# Allegro board ad-fmcmotcon1-ebz_layout.brd (continued)
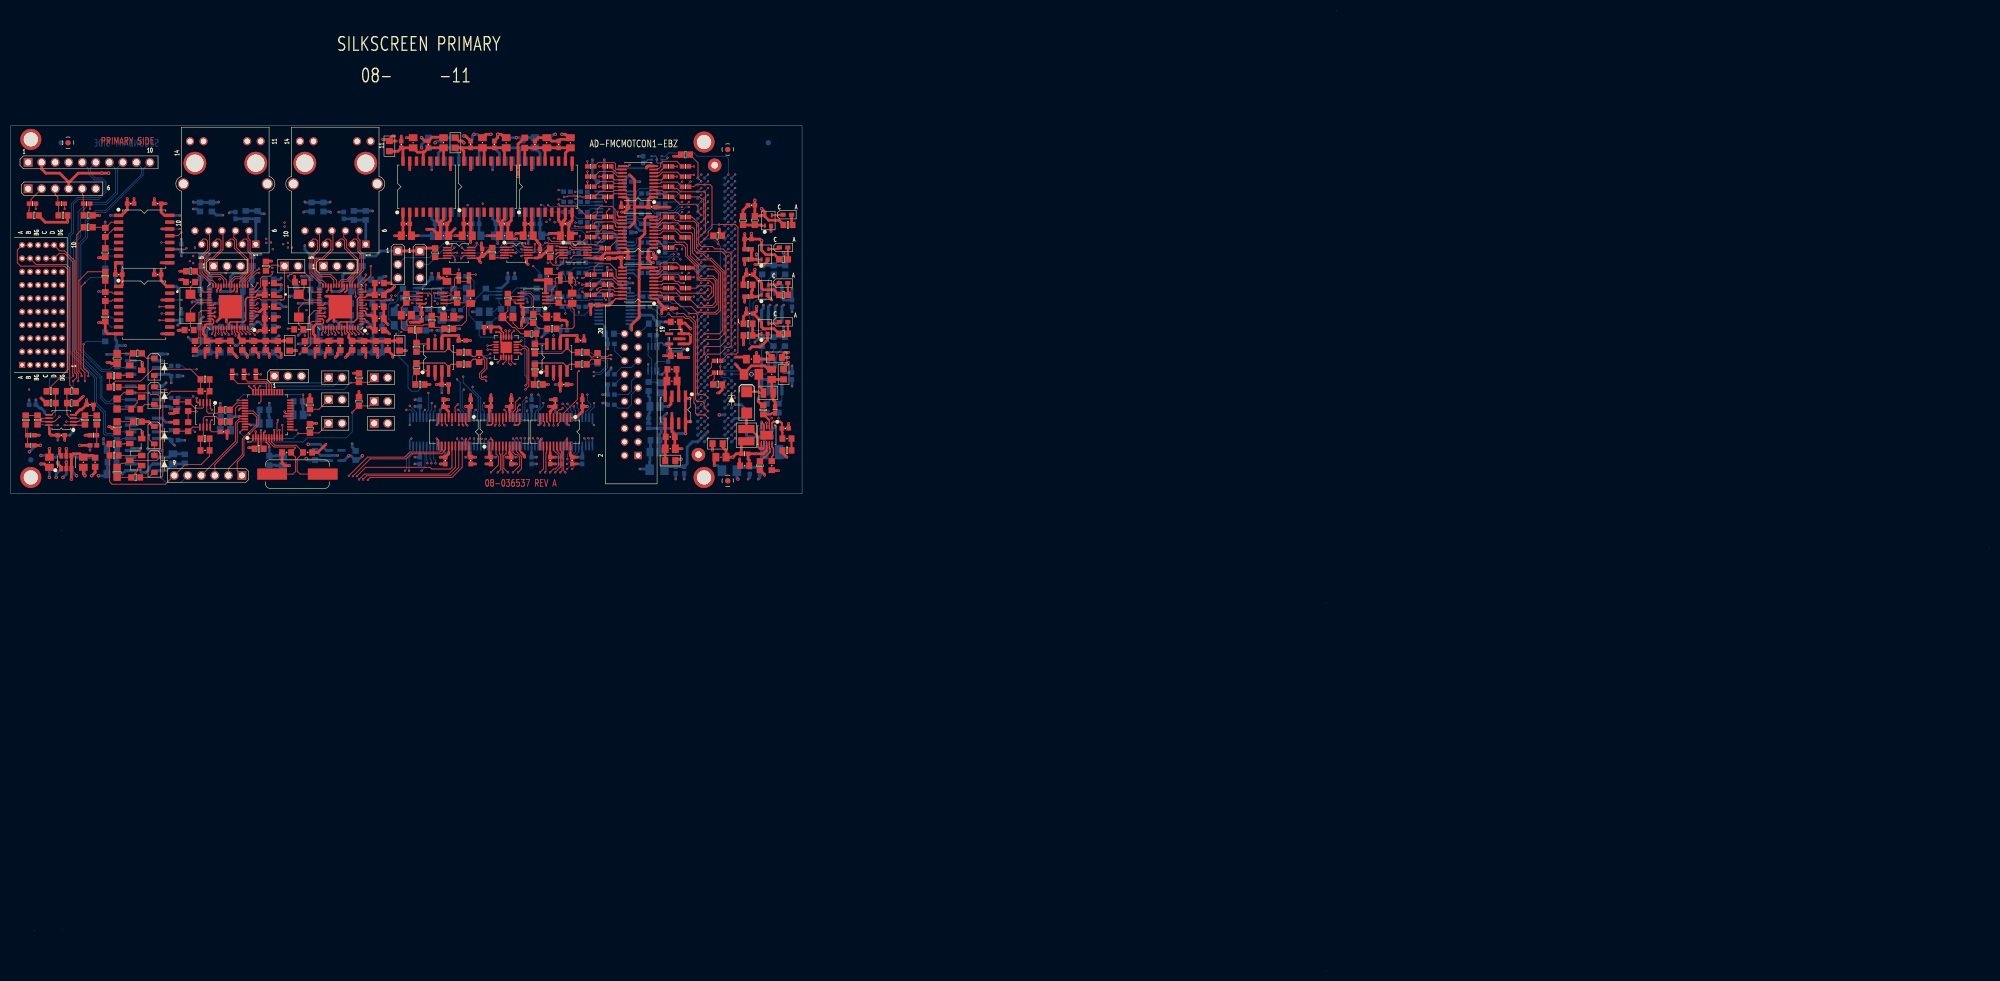
[diagram p0: board, top side]
## Nets (continued)
UNNAMED_3_AD8646V2_I111__1: C32.1(N1) R91.2(N2) U10.5(+IN)
UNNAMED_3_AD8646V2_I111_OUT: C34.2(N2) R86.1(N1) R93.1(N1) U10.7(OUT)
UNNAMED_3_AD8646V2_I113_: R87.2(N2) U11.2(-IN)
UNNAMED_3_AD8646V2_I113__1: C29.1(N1) R84.2(N2) U11.3(+IN)
UNNAMED_3_AD8646V2_I113_OUT: C31.2(N2) R87.1(N1) R90.1(N1) U11.1(OUT)
UNNAMED_3_AD8646V2_I114_: C33.1(N1) R92.2(N2) U11.5(+IN)
UNNAMED_3_AD8646V2_I114__1: R88.2(N2) U11.6(-IN)
UNNAMED_3_AD8646V2_I114_OUT: C35.2(N2) R88.1(N1) R95.1(N1) U11.7(OUT)
UNNAMED_3_ADA40842_I45_INV: A2.2(INV) R69.2(N2) R75.1(N1)
UNNAMED_3_ADA40842_I45_NINV: A2.3(NINV) R70.2(N2) R73.1(N1)
UNNAMED_3_ADA40842_I98_INV: A2.6(INV) R71.2(N2) R76.1(N1)
UNNAMED_3_ADA40842_I98_NINV: A2.5(NINV) R72.2(N2) R74.1(N1)
UNNAMED_3_CAP_I4_N1: C34.1(N1) R89.2(N2) R91.1(N1)
UNNAMED_3_CAP_I20_N1: C30.1(N1) R81.2(N2) R83.1(N1)
UNNAMED_3_CAP_I115_N1: C35.1(N1) R90.2(N2) R92.1(N1)
UNNAMED_3_CAP_I120_N1: C31.1(N1) R82.2(N2) R84.1(N1)
UNNAMED_3_RES_I135_N1: R69.1(N1) R229.2(N2) R231.2(N2)
UNNAMED_3_RES_I137_N1: R71.1(N1) R230.2(N2) R232.2(N2)
UNNAMED_4_AD7401_I36_VIN: C45.1(N1) R113.2(N2) U14.2(VIN+)
UNNAMED_4_AD7401_I36_VIN_1: C45.2(N2) R114.2(N2) U14.3(VIN-)
UNNAMED_4_AD7401_I56_VIN: C46.1(N1) R115.2(N2) U15.2(VIN+)
UNNAMED_4_AD7401_I56_VIN_1: C46.2(N2) R116.2(N2) U15.3(VIN-)
UNNAMED_4_AD8137_I9_NEGIN: R130.2(N2) R135.1(N1) U18.1(NEG_IN)
UNNAMED_4_AD8137_I9_NEGOUT: R133.2(N2) R137.1(N1) U18.5(NEG_OUT)
UNNAMED_4_AD8137_I9_POSIN: R129.2(N2) R133.1(N1) U18.8(POS_IN)
UNNAMED_4_AD8137_I9_POSOUT: R135.2(N2) R138.1(N1) U18.4(POS_OUT)
UNNAMED_4_AD8137_I65_NEGIN: R132.2(N2) R136.1(N1) U19.1(NEG_IN)
UNNAMED_4_AD8137_I65_NEGOUT: R134.2(N2) R139.1(N1) U19.5(NEG_OUT)
UNNAMED_4_AD8137_I65_POSIN: R131.2(N2) R134.1(N1) U19.8(POS_IN)
UNNAMED_4_AD8137_I65_POSOUT: R136.2(N2) R140.1(N1) U19.4(POS_OUT)
UNNAMED_4_AD8646V2_I112_: C49.1(N1) R119.2(N2) U16.3(+IN)
UNNAMED_4_AD8646V2_I112__1: R121.2(N2) U16.2(-IN)
UNNAMED_4_AD8646V2_I112_OUT: C51.2(N2) R121.1(N1) R125.1(N1) U16.1(OUT)
UNNAMED_4_AD8646V2_I119_: C53.1(N1) R127.2(N2) U16.5(+IN)
UNNAMED_4_AD8646V2_I119__1: R122.2(N2) U16.6(-IN)
UNNAMED_4_AD8646V2_I119_OUT: C55.2(N2) R122.1(N1) R129.1(N1) U16.7(OUT)
UNNAMED_4_AD8646V2_I127_: C50.1(N1) R120.2(N2) U17.3(+IN)
UNNAMED_4_AD8646V2_I127__1: R123.2(N2) U17.2(-IN)
UNNAMED_4_AD8646V2_I127_OUT: C52.2(N2) R123.1(N1) R126.1(N1) U17.1(OUT)
UNNAMED_4_AD8646V2_I134_: C54.1(N1) R128.2(N2) U17.5(+IN)
UNNAMED_4_AD8646V2_I134__1: R124.2(N2) U17.6(-IN)
UNNAMED_4_AD8646V2_I134_OUT: C56.2(N2) R124.1(N1) R131.1(N1) U17.7(OUT)
UNNAMED_4_ADA40842_I44_INV: A3.2(INV) R105.2(N2) R111.1(N1)
UNNAMED_4_ADA40842_I44_NINV: A3.3(NINV) R106.2(N2) R109.1(N1)
UNNAMED_4_ADA40842_I98_INV: A3.6(INV) R107.2(N2) R112.1(N1)
UNNAMED_4_ADA40842_I98_NINV: A3.5(NINV) R108.2(N2) R110.1(N1)
UNNAMED_4_CAP_I107_N1: C55.1(N1) R125.2(N2) R127.1(N1)
UNNAMED_4_CAP_I113_N1: C51.1(N1) R117.2(N2) R119.1(N1)
UNNAMED_4_CAP_I122_N1: C56.1(N1) R126.2(N2) R128.1(N1)
UNNAMED_4_CAP_I128_N1: C52.1(N1) R118.2(N2) R120.1(N1)
UNNAMED_4_RES_I104_N1: R107.1(N1) R234.2(N2) R236.2(N2)
UNNAMED_4_RES_I175_N2: R105.1(N1) R233.2(N2) R235.2(N2)
UNNAMED_5_AD2S1210_I28_A: R155.1(N1) U26.29(A)
UNNAMED_5_AD2S1210_I28_B: R156.1(N1) U26.30(B)
UNNAMED_5_AD2S1210_I28_CLKIN: C70.1(N1) U26.7(CLKIN) Y1.2(N2)
UNNAMED_5_AD2S1210_I28_EXC: R158.1(N1) U26.38(EXC)
UNNAMED_5_AD2S1210_I28_EXCN: R159.1(N1) U26.39(EXC_N)
UNNAMED_5_AD2S1210_I28_NM: R157.1(N1) U26.31(NM)
UNNAMED_5_AD2S1210_I28_REFBYP: C72.1(N1) C74.1(N1) U26.46(REFBYP)
UNNAMED_5_AD8662_I121_: A4.2(-IN) C79.1(N1) R158.2(N2) R160.1(N1)
UNNAMED_5_AD8662_I121__1: A4.3(+IN) R162.2(N2) R164.1(N1)
UNNAMED_5_AD8662_I121_OUT: A4.1(OUT) D1.C(N) D2.A(P)
UNNAMED_5_AD8662_I122_: A4.6(-IN) C80.1(N1) R159.2(N2) R161.1(N1)
UNNAMED_5_AD8662_I122__1: A4.5(+IN) R163.2(N2) R165.1(N1)
UNNAMED_5_AD8662_I122_OUT: A4.7(OUT) D3.C(N) D4.A(P)
UNNAMED_5_ADG704_I125_EN: R145.1(N1) U21.5(EN)
UNNAMED_5_ADG704_I136_EN: R149.1(N1) U25.5(EN)
UNNAMED_5_ADG704_I141_EN: R144.1(N1) U20.5(EN)
UNNAMED_5_ADN4662_I7_ROUT: R141.2(N2) U22.7(ROUT)
UNNAMED_5_ADN4662_I13_ROUT: R142.2(N2) U23.7(ROUT)
UNNAMED_5_ADN4662_I22_ROUT: R143.2(N2) U24.7(ROUT)
UNNAMED_5_DIO_I89_P: D1.A(P) R167.2(N2)
UNNAMED_5_DIO_I90_N: D2.C(N) R168.1(N1)
UNNAMED_5_DIO_I107_N: D4.C(N) R172.1(N1)
UNNAMED_5_DIO_I110_P: D3.A(P) R171.2(N2)
UNNAMED_5_RES_I86_N2: Q1.1(B) R166.2(N2) R167.1(N1)
UNNAMED_5_RES_I91_N2: Q2.1(B) R168.2(N2) R169.1(N1)
UNNAMED_5_RES_I93_N1: Q1.2(E) R174.1(N1)
UNNAMED_5_RES_I94_N2: Q2.2(E) R175.2(N2)
UNNAMED_5_RES_I101_N1: Q4.1(B) R172.2(N2) R173.1(N1)
UNNAMED_5_RES_I109_N1: Q3.1(B) R170.2(N2) R171.1(N1)
UNNAMED_5_RES_I112_N2: Q4.2(E) R177.2(N2)
UNNAMED_5_RES_I113_N1: Q3.2(E) R176.1(N1)
UNNAMED_6_AT24C32_I142_A0: R193.2(N2) U27.1(A0)
UNNAMED_6_AT24C32_I142_A1: R195.2(N2) U27.2(A1)
UNNAMED_6_AT24C32_I142_WP: R194.2(N2) U27.7(WP)
UNNAMED_6_AT24C32_I156_WP: R13.2(N2) U32.7(WP)
UNNAMED_6_CN6P_I40_N2: P7.2(N2) R180.2(N2) R181.1(N1)
UNNAMED_6_CN6P_I40_N3: P7.3(N3) R179.2(N2) R182.1(N1)
UNNAMED_6_CN6P_I40_N5: P7.5(N5) R178.2(N2) R183.1(N1)
UNNAMED_6_CN20PV2_I55_N8: P10.16(N8) R190.1(N1)
UNNAMED_6_CN20PV2_I55_N10: P10.20(N10) R189.2(N2)
UNNAMED_6_CN160PCDGHV2_I8_PRSNT: P1.H2(PRSNT_M2C_L) R191.2(N2)
UNNAMED_7_CAP_I18_N1: C134.1(N1) U28.41(REGCAP2)
UNNAMED_7_CAP_I18_N2: C134.2(N2) U28.37(REGCAP1)
UNNAMED_7_CAP_I83_N1: C136.1(N1) U28.34(XTAL_IN) Y2.2(N2)
UNNAMED_7_CAP_I89_N1: C135.1(N1) U28.33(XTAL_OUT) Y2.1(N1)
UNNAMED_7_CAP_I101_N1: C140.1(N1) P13.GND1 P13.GND2 R199.1(N1)
UNNAMED_7_CAP_I103_N1: C137.1(N1) C138.1(N1) C139.1(N1) P13.1(TRDCT1/2/3/4)
UNNAMED_7_IC88E151X_I25_RSET: R197.1(N1) U28.30(RSET)
UNNAMED_8_CAP_I3_N1: C185.1(N1) P15.GND1 P15.GND2 R201.1(N1)
UNNAMED_8_CAP_I6_N1: C182.1(N1) C183.1(N1) C184.1(N1) P15.1(TRDCT1/2/3/4)
UNNAMED_8_CAP_I10_N1: C181.1(N1) U29.34(XTAL_IN) Y3.2(N2)
UNNAMED_8_CAP_I12_N1: C180.1(N1) U29.33(XTAL_OUT) Y3.1(N1)
UNNAMED_8_CAP_I81_N1: C179.1(N1) U29.41(REGCAP2)
UNNAMED_8_CAP_I81_N2: C179.2(N2) U29.37(REGCAP1)
UNNAMED_8_IC88E151X_I23_RSET: R200.1(N1) U29.30(RSET)
UNNAMED_9_ADA40842_I58_INV: A6.2(INV) R206.1(N1)
UNNAMED_9_ADA40842_I58_NINV: A6.3(NINV) A6.5(NINV) R204.2(N2) R205.1(N1)
UNNAMED_9_ADA40842_I63_INV: A6.6(INV) R207.1(N1)
UNNAMED_9_ADCMP35X_I5_OUT: A9.3(OUT) DS7.C(N)
UNNAMED_9_ADCMP35X_I5_VIN: A9.1(VIN) R215.2(N2) R216.1(N1)
UNNAMED_9_ADCMP35X_I11_OUT: A8.3(OUT) DS3.C(N)
UNNAMED_9_ADCMP35X_I11_VIN: A8.1(VIN) R212.2(N2) R213.1(N1)
UNNAMED_9_ADCMP35X_I39_OUT: A7.3(OUT) DS2.C(N)
UNNAMED_9_ADCMP35X_I39_VIN: A7.1(VIN) R209.2(N2) R210.1(N1)
UNNAMED_9_ADCMP35X_I45_OUT: A5.3(OUT) DS1.C(N)
UNNAMED_9_ADCMP35X_I45_VIN: A5.1(VIN) R202.2(N2) R203.1(N1)
UNNAMED_9_CAP_I101_N1: C264.1(N1) C265.1(N1) C266.1(N1) C267.1(N1) E7.1(N1) U33.10(VISO_1) U33.13(VSEL) U33.16(VISO_2)
UNNAMED_9_DIOLED_I2_P: DS7.A(P) R217.2(N2)
UNNAMED_9_DIOLED_I8_P: DS3.A(P) R214.2(N2)
UNNAMED_9_DIOLED_I23_P: DS2.A(P) R211.2(N2)
UNNAMED_9_DIOLED_I42_P: DS1.A(P) R208.2(N2)
UNNAMED_16_ADM660_I34_CAP: C228.2(N2) C230.2(N2) U39.4(CAP-)
UNNAMED_16_ADM660_I34_CAP_1: C228.1(N1) C230.1(N1) U39.2(CAP+)
UNNAMED_16_ADM660_I34_OUT: C237.1(N1) C239.1(N1) E12.1(N1) U39.5(OUT)
UNNAMED_16_ADM660_I57_CAP: C222.2(N2) C223.2(N2) U37.4(CAP-)
UNNAMED_16_ADM660_I57_CAP_1: C222.1(N1) C223.1(N1) U37.2(CAP+)
UNNAMED_16_ADM660_I57_OUT: C226.1(N1) C227.1(N1) E11.1(N1) U37.5(OUT)
UNNAMED_16_ADP1614_I150_CLRES: R219.1(N1) U34.9(CLRES)
UNNAMED_16_ADP1614_I150_COMP: C202.1(N1) C206.1(N1) U34.1(COMP)
UNNAMED_16_ADP1614_I150_EN: C213.1(N1) R222.2(N2) U34.3(EN) U34.8(VIN)
UNNAMED_16_ADP1614_I150_FB: R218.2(N2) R220.1(N1) U34.2(FB)
UNNAMED_16_ADP1614_I150_SS: C199.1(N1) U34.10(SS)
UNNAMED_16_ADP1614_I150_SW1: D5.A(P) L1.2(N2) U34.6(SW1) U34.7(SW2)
UNNAMED_16_ADUM5000_I20_VISO1: C234.1(N1) C235.1(N1) C236.1(N1) C238.1(N1) E20.1(N1) U40.10(VISO_1) U40.13(VSEL) U40.16(VISO_2)
UNNAMED_16_ADUM5000_I90_VISO1: C211.1(N1) C214.1(N1) C216.1(N1) C218.1(N1) E8.1(N1) U35.10(VISO_1) U35.13(VSEL) U35.16(VISO_2)
UNNAMED_16_ADUM5000_I102_VISO1: C212.1(N1) C215.1(N1) C217.1(N1) C219.1(N1) E18.1(N1) U36.10(VISO_1) U36.13(VSEL) U36.16(VISO_2)
UNNAMED_16_CAP_I128_N2: C202.2(N2) R221.1(N1)
UNNAMED_16_CAP_I134_N1: C220.1(N1) D5.C(N) L2.1(N1)
UNNAMED_16_CAP_I135_N1: C221.1(N1) E10.1(N1) L2.2(N2) R220.2(N2)
UNNAMED_16_CAP_I158_N1: C259.1(N1) C260.1(N1) C261.1(N1) C262.1(N1) E19.1(N1) U47.10(VISO_1) U47.13(VSEL) U47.16(VISO_2)
VADJ: C1.1(N1) C2.1(N1) C3.1(N1) C4.1(N1) C12.1(N1) C93.1(N1) C94.1(N1) C95.1(N1) C276.1(N1) E1.1(N1) E4.1(N1) P1.G39(VADJ_3) P1.H40(VADJ_4) R185.1(N1) R186.1(N1) R198.1(N1) R209.1(N1) U1.1(VCCA) U2.1(VCCA) U3.1(VCCA) U4.1(VCCA) U7.1(VCCA) U49.1(VCCA)
VAUX0_N: P10.6(N3) U43.9(DB)
VAUX0_P: P10.3(N2) U43.7(DA)
XADC_2V5: C85.1(N1) P10.15(N8)
XADC_AV5V: C83.1(N1) P10.13(N7)
XADC_AVDD: C84.1(N1) P10.14(N7)
XADC_IA_N: C40.1(N1) R101.2(N2) U43.13(S1B)
XADC_IA_P: C40.2(N2) R102.2(N2) U43.3(S1A)
XADC_IB_N: C41.1(N1) P10.7(N4) R103.2(N2)
XADC_IB_P: C41.2(N2) P10.8(N4) R104.2(N2)
XADC_IT_N: C61.1(N1) R137.2(N2) U43.12(S2B)
XADC_IT_P: C61.2(N2) R138.2(N2) U43.4(S2A)
XADC_MUX_A0: P10.18(N9) U43.19(A0)
XADC_MUX_A1: P10.17(N9) U43.17(A1)
XADC_MUX_EN: P10.19(N10) R184.2(N2) U43.1(EN)
XADC_VBUS_N: C62.1(N1) R139.2(N2) U43.11(S3B)
XADC_VBUS_P: C62.2(N2) R140.2(N2) U43.5(S3A)
XADC_VREF: C82.1(N1) P10.11(N6)
XTALOUT: C69.1(N1) U26.8(XTALOUT) Y1.1(N1)

Pads without a net: P1 C2 C3 C6 C7 D4 D5 D29 D30 D31 D33 D34 G7 H1; P2 A8 B8 C8 D7 D8; P8 1 4; U2 2 19; U4 12 13; U8 4 5 6 7 10 12 15; U9 4 5 6 7 10 12 15; U12 7; U13 7; U14 4 5 6 7 10 12 15; U15 4 5 6 7 10 12 15; U18 7; U19 7; U22 3 4 6; U23 3 4 6; U24 3 4 6; U26 14 15 16 17 20 21 22 23 24 25 26 27 28 32 47; U28 1 2 4 5 9 12 29 31 32; U29 1 2 4 5 9 12 29 31 32; U33 3 4 5 11 12 14; U35 3 4 5 11 12 14; U36 3 4 5 11 12 14; U37 7; U38 4; U39 7; U40 3 4 5 11 12 14; U43 8 16 18 20; U46 4; U47 3 4 5 11 12 14; U49 12 13 14 15

## Via types
v1: diameter 0.406, hole 0.203, TOP to BOTTOM, 871 vias
v2: diameter 0.635, hole 0.305, TOP to BOTTOM, 55 vias

## Routing (per net, layer and track width the routed paths; a pad name or vN(x,y) marks a point on that pad's centre or on a via; arc(x,y) is an arc through that point)
0V5_REF_1: length 6.1
  TOP w0.508: U12.2 v1(101.89,111) ; U13.2 v1(79.67,111)
  BOTTOM w0.305: A6.1 121.6,112.05 121.77,111.89 122.15,111.89 v1(122.21,111.95)
  BOTTOM w0.508: R206.2 123.42,113.06 122.31,111.95 v1(122.21,111.95)
0V5_REF_2: length 6.5
  BOTTOM w0.152: v1(121.26,120.33) R207.2 121.26,119.25 120.94,118.94 120.95,118.93 A6.7 ; U18.2 v1(101.89,119.25) ; U19.2 v1(79.67,119.25)
2V5_REF_1: length 7.4
  TOP w0.508: U30.6 9.18,96.96 v2(9.18,97.98) ; v2(12.99,98.62) R229.1 ; v2(5.56,98.62) R230.1 ; v2(10.45,97.98) U30.5 ; v2(7.28,97.98) C189.1
2V5_REF_2: length 8.4
  BOTTOM w0.508: v2(9.82,92.58) 9.83,92.58 10.45,93.21 U31.5 ; v2(8.55,92.58) 8.55,93.22 9.5,94.17 U31.6 ; v2(3.53,97.41) 4.42,98.3 R233.1 ; v1(14.9,97.66) R234.1 ; C190.1 v2(7.28,92.58)
2V5_REF_3: length 6.3
  BOTTOM w0.508: R204.1 119.74,107.86 119.99,107.61 C503.1 119.99,104.71 119.74,104.46 U50.6 U50.5
3V3_ADC_A: length 15.4
  TOP w0.508: U38.5 123.58,116.77 123.9,116.45 C225.1 v1(122.53,115.44) ; v1(26.96,131.64) C243.1 ; U8.14 v1(28.36,139.26) ; C242.1 v1(26.96,144.97) ; U9.14 v1(28.36,125.92)
  BOTTOM w0.508: v1(32.04,134.18) C247.1 32.04,135.19 31.79,135.45 U15.14 ; U14.14 C246.1 32.04,121.86 v1(31.34,121.16)
3V3_AUX: length 29.8
  BOTTOM w0.152: P1.D32 v1(134.71,110.11)
  BOTTOM w0.254: A1.3 121.45,151.62 121.26,151.82 v1(121.26,152.27) 121.26,152.73 121.07,152.92 A1.6
  BOTTOM w0.508: R192.1 R194.1 145.33,119.91 145.07,120.17 v1(145.07,120.84) ; R196.1 140.65,118.96 v1(139.67,117.98) ; v2(145.07,134.81) 145.39,134.49 R13.1 R12.1 R26.1 141.02,132.42 139.99,133.45 v2(139.99,134.49) ; v1(146.66,113.54) 146.66,112.27 145.07,112.27 144.75,112.59 U27.8 ; v1(146.66,128.02) C193.2 145.07,125.92 144.75,126.24 U32.8
3V3_SENS_ISO: length 41
  TOP w0.254: U26.3 46.48,99.06 ; U26.18 v1(51.37,104.08)
  TOP w0.305: 46.48,99.06 46.48,98.67 R150.1
  TOP w0.508: R154.1 v1(65.38,108.78) ; R152.1 56.27,102.74 v1(57.44,102.74) ; R150.1 45.61,98.17 v1(44.68,98.17) ; R153.1 v1(64.33,112.17) ; R151.1 v1(56.17,108.14)
  BOTTOM w0.305: 86.33,97.35 U42.7 ; 90.14,97.35 U42.1 ; 93.95,97.35 U45.20 ; 97.76,97.35 U45.14
  BOTTOM w0.508: U22.8 29.82,99.89 C65.2 30.14,99.25 v1(30.77,98.62) ; U23.8 v1(29.18,105.92) 29.82,105.92 C66.2 ; v2(66.01,96.65) 65.23,95.86 C254.1 64.66,95.86 63.88,96.65 v2(63.47,96.65) 62.59,95.76 U46.5 ; v1(85.38,96.39) C251.1 86.33,97.35 ; 90.14,97.35 C252.1 v1(91.03,96.39) ; C71.1 53,106.77 C73.1 52.75,104.08 v1(51.37,104.08) ; U24.8 29.82,111.95 C67.2 v1(30.14,110.36) ; v1(98.72,96.39) C19.1 97.76,97.35 ; 93.95,97.35 C21.1 v1(94.91,96.39)
5V0: length 83
  TOP w0.508: v1(78.08,139.19) 79.25,139.19 80.3,138.14 C233.1 80.62,138.3 C232.1 ; v1(83.48,137.99) C209.1 85.06,138.3 C207.1 U36.1 ; U40.7 81.25,141.1 80.75,140.59 80.75,140.34 C232.1 ; R212.1 v1(137.77,125.5) ; v1(72.05,137.99) C231.1 73.63,138.3 C229.1 U40.1 ; v1(146.02,114.17) 145.07,113.22 E10.2 ; U36.7 92.68,141.16 92.37,140.84 92.37,140.53 C200.1 ; C201.1 103.8,140.53 103.8,140.84 104.11,141.16 U35.7 ; C201.1 103.48,138.3 C205.1 102.72,138.43 v1(101.07,138.43) ; C201.1 102.84,140.84 U35.6 ; C232.1 79.98,140.84 U40.6 ; v1(89.51,137.99) C203.1 92.05,138.3 C200.1 ; C200.1 91.41,140.84 U36.6 ; v1(94.84,138.43) 95.73,138.43 C210.1 96.49,138.3 C208.1 U35.1 ; v1(146.02,115.13) E17.1 144.75,115.44 145.39,116.08 v1(146.02,116.08)
  BOTTOM w0.508: U47.7 80.3,141.12 80.94,140.49 ; 92.37,140.49 91.73,141.12 U33.7 ; 92.37,140.49 C196.1 92.37,138.3 C263.1 93.74,137.99 93.77,138.02 94.43,138.02 v1(94.84,138.43) ; 92.37,140.49 92.37,140.53 93,141.16 U33.6 ; U47.6 81.57,141.16 80.94,140.53 80.94,140.49 ; 80.94,140.49 C257.1 80.94,138.3 81.25,137.99 v1(83.48,137.99) ; U33.1 C194.1 99.35,138.3 C195.1 99.73,137.99 99.92,138.18 100.81,138.18 v1(101.07,138.43) ; v1(89.51,137.99) C256.1 87.92,138.3 C255.1 U47.1
5V0_A: length 70.7
  TOP w0.254: 92.05,120.52 92.05,120.21 92.5,119.75 U43.14 ; v1(94.59,125.48) 94.8,125.26 U10.8 95.78,124.73 ; 76.73,124.73 U11.8
  TOP w0.305: v1(77.95,125.35) 77.79,125.19 76.8,125.19 U11.8
  TOP w0.508: 125.6,121.58 126.56,121.58 v2(127.61,120.52) ; 125.6,121.58 C224.1 ; 125.6,121.58 125.6,120.62 125.92,120.31 U38.3 125.92,119.57 127.3,119.57 127.61,119.27 v2(127.61,119.25) 127.61,117.98 127.29,117.67 U38.1 ; U39.8 126.97,103.06 v2(127.61,103.06) ; U39.8 126.66,107.75 ; U39.8 v2(126.66,100.84) ; v1(139.99,116.08) C97.1 142.53,114.81 E17.2 v1(141.9,116.08) ; v2(127.48,107.44) 126.96,107.44 126.66,107.75 ; 92.05,120.52 91.73,120.84 C43.2 v1(90.14,119.89) ; v1(103.16,108.78) C36.1 U12.3 ; U13.3 C38.1 v1(79.88,110.05) ; U39.1 126.66,107.75 ; 76.73,124.73 77.13,124.33 C27.1 ; 95.78,124.73 96.18,124.33 C26.1
  BOTTOM w0.508: v1(79.98,120.21) C59.1 U19.3 ; 121.89,97.35 121.79,97.45 C501.1 121.79,100.68 122.14,101.03 U50.3 ; U17.8 77.18,128.17 78.99,129.98 C48.1 v1(79.03,130.94) ; U50.3 123.8,101.79 124.75,100.84 v2(126.66,100.84) ; U50.3 U50.4 ; U16.8 92.16,128.17 93.32,129.32 C47.1 v1(93.32,131) ; U18.3 C57.1 103.16,120.84 v1(103.48,121.16)
5V0_ADC_ISO: length 23.4
  TOP w0.508: v2(95.22,149.1) v2(95.22,150.37) 95.22,155.19 96.43,156.4 E8.2 ; U9.1 20.61,128.46 20.93,128.78 C241.1 v1(20.93,131.64) ; U8.1 20.8,141.8 21.88,142.88 C240.1 v1(21.88,144.97)
  BOTTOM w0.508: v1(21.56,117.35) 20.29,117.35 C244.1 19.91,118.24 19.66,118.49 19.66,119.38 19.85,119.57 U14.1 ; U15.1 20.61,132.91 20.93,132.59 v1(20.93,131.64) C241.1
5V0_DI_ISO: length 36.3
  TOP w0.254: 93.64,97.35 U6.7 ; U6.1 89.83,97.35 ; U5.14 82.21,97.35 ; U5.20 86.02,97.35
  TOP w0.305: U44.20 105.07,97.16 ; 101.26,97.28 U44.14
  TOP w0.508: 86.02,97.35 86.02,96.71 C18.1 v1(87.29,96.39) ; v1(102.21,96.39) C116.1 101.26,97.28 ; v1(89.19,96.39) C271.1 89.83,96.71 89.83,97.35 ; E20.2 v1(72.36,155.77) ; E20.2 70.78,156.08 v1(69.82,156.08) ; E20.2 71.09,156.08 71.73,156.72 v1(72.05,156.72) ; 105.07,97.16 105.07,96.71 C142.1 v1(106.34,96.39) ; v1(80.62,96.39) C15.1 82.21,97.03 82.21,97.35 ; 93.64,97.35 93.64,97.09 93.95,96.77 C270.1 v1(93.07,96.39)
  BOTTOM w0.254: 103.48,97.35 U48.20 ; 107.29,97.35 U48.14
  BOTTOM w0.305: U41.1 80.62,97.79 80.75,97.66 81.06,97.66 81.57,97.16 ; U41.7 76.81,97.35
  BOTTOM w0.508: 107.29,97.35 C275.1 v1(106.34,96.39) ; 76.81,97.35 C161.1 v1(75.86,96.39) ; 81.57,97.16 C15.1 v1(80.62,96.39) ; 103.48,97.35 C274.1 v1(102.21,96.39)
5V0_FE_ISO: length 30.8
  TOP w0.254: 7.28,101.79 7.2,101.87 A2.8
  TOP w0.508: v2(11.4,92.27) 11.4,94.24 U30.3 U30.4 11.4,96.71 11.72,97.03 12.99,97.03 C268.1 13.94,96.71 15.43,96.71 C186.1 ; E18.2 84.11,155.77 84.75,155.77 v2(85.06,155.45) ; 7.28,101.79 7.28,100.84 v1(7.59,100.52) 8.86,100.52
  BOTTOM w0.305: 11.8,101.83 A3.8
  BOTTOM w0.508: v1(25.69,97.98) 26.01,97.66 U37.1 ; v1(24.42,97.98) 24.1,97.66 U37.8 ; 11.8,101.83 11.72,101.75 11.72,101.16 v1(11.09,100.52) C44.2 ; C186.1 13.73,96.29 C268.1 12.41,96.39 12.16,96.64 U30.4 U30.3 11.4,93.86 v2(12.36,92.9)
5V0_RDC_ISO: length 13.3
  TOP w0.254: U26.6 47.98,99.18 48.55,98.62 v1(48.55,98.3) ; U26.43 42.9,104.08 v1(42.84,104.01)
  BOTTOM w0.508: C77.1 49.89,96.71 49.78,96.61 C78.1 v1(48.55,98.3) ; v1(42.84,104.01) C76.1 41.25,103.91 C75.1 ; v2(102.21,157.04) 101.89,157.04 101.26,156.4 E7.2
5V0_SENS_ISO: length 36.5
  TOP w0.508: v2(18.39,149.73) v2(17.12,149.73) 12.67,149.73 10.99,148.04 10.9,148.04 ; R178.1 v1(16.7,141.8) ; 10.9,148.04 P7.4 ; 10.9,148.04 9.21,149.73 6.62,149.73 5.82,150.53 P8.2 ; R179.1 v1(10.67,140.53) 6.49,140.53 5.27,141.74 R180.1
  BOTTOM w0.508: v2(55.85,98.81) 58.11,98.81 59.26,97.66 U46.3 ; v2(55.47,96.14) 55.75,95.86 C253.1 58.13,95.86 58.23,95.76 U46.1 ; v2(77.13,154.5) 77.13,155.13 E19.2
-5V0_A: length 19.9
  TOP w0.508: U13.6 80.94,118.94 81.25,119.25 v1(84.11,119.25) C39.1 ; E12.2 125.01,96.01 v2(125.83,96.01) ; C37.1 v1(106.34,119.25) 103.48,119.25 103.16,118.94 U12.6
  BOTTOM w0.508: v1(80.94,108.46) C60.1 U19.6 ; v1(102.21,110.05) C58.1 U18.6
-5V0_FE_ISO: length 11
  TOP w0.254: 12.36,104.65 12.06,104.35 A2.4
  TOP w0.508: v1(14.26,107.19) C22.1 14.22,106.24 13.27,105.28 12.99,105.28 12.36,104.65
  BOTTOM w0.305: 6.52,104.53 6.69,104.35 A3.4
  BOTTOM w0.508: 6.52,104.53 6.32,104.72 6.32,104.97 5.67,105.62 5.39,105.62 4.78,106.24 C42.1 v1(4.74,107.19) ; v1(17.44,99.89) v1(17.44,98.93) 18.07,98.3 E11.2
AGND: length 582.3
  TOP w0.152: 137.64,112.15 C220.2 ; v1(83.79,134.81) 83.34,134.81 83.27,134.75 U21.3 ; v1(52.04,120.52) 53.1,120.52 C181.2
  TOP w0.254: U43.6 95.59,116.03 v1(95.86,115.76) ; v1(94.59,102.43) 95.25,102.43 95.54,102.72 U6.11 ; v1(95.86,118.3) 95.59,118.03 U43.10 ; U20.3 102.65,134.81 v1(102.36,134.52) ; U44.10 99.35,102.72 v1(99.06,102.43) ; U2.11 114.18,141.55 113.89,141.83 v1(113.89,142.49) ; v1(116.18,151.31) 115.94,151.07 U1.11 ; v1(89.51,102.43) 90.17,102.43 90.46,102.72 U6.19 ; U5.10 80.3,102.74 v1(79.98,102.43) ; U43.2 92.5,116.53 U43.PAD 92,118.03 U43.15 92,119.62 91.73,119.89 v1(91.1,119.89) ; U44.2 104.43,102.72 v1(104.72,102.43) ; v1(85.7,102.36) 85.38,102.68 U5.2 ; U34.PAD 141.4,101.02 U34.4 141.4,102.54 141.27,102.67 141.27,102.71 v1(140.94,103.03) 140.94,102.74 140.9,102.7 U34.5 ; U25.3 v1(94.91,134.81) ; U11.4 80.15,127.21 80.12,127.19 v1(79.53,127.19)
  TOP w0.508: C172.2 61.35,115.96 61.35,115.54 v1(60.93,115.13) ; C180.2 53.31,129.32 v1(53.31,130.37) ; v1(36.49,115.13) 36.49,116.18 C115.2 ; C122.2 38.71,116.18 v1(38.71,115.13) ; v1(120.62,134.81) 120.62,134.49 120.94,134.18 C2.2 ; v1(28.23,131.64) C243.2 28.23,129.54 29.31,128.46 U9.16 ; v1(57.12,115.13) 57.12,116.18 C160.2 ; A5.2 v1(142.71,138.81) ; v1(29.18,144.02) C242.2 28.23,142.43 28.87,141.8 U8.16 ; v1(59.41,121.92) 59.92,122.43 59.98,122.43 61.89,124.33 ; R191.1 125.49,152.91 v1(124.43,152.91) ; R210.2 C192.2 v1(137.77,138.4) ; U8.9 v1(28.23,132.91) ; C109.2 v1(107.29,108.14) ; C221.2 142.21,112.9 141.58,113.54 139.03,113.54 137.64,112.15 136.39,113.41 136.39,113.51 v1(135.98,113.92) ; C166.2 66.65,116.18 v1(66.65,115.13) ; v1(59.16,126.62) 60.55,126.62 61.89,125.29 U29.PAD 61.89,124.33 ; v1(71.73,115.13) 71.73,115.54 C174.2 ; C204.2 132.05,96.08 v1(132.05,94.81) ; C153.2 70.46,120.21 v1(71.09,119.57) ; U36.2 C207.2 86.33,138.3 C209.2 86.33,137.67 v1(86.33,136.72) ; C68.1 99.35,136.33 v1(99.16,136.53) 98.91,136.78 98.91,136.91 98.08,137.73 C210.2 97.76,138.3 U35.2 ; U4.11 114.59,132.27 v1(114.59,132.91) C6.2 113.74,133.86 113.61,133.73 C63.1 ; C96.2 49.72,122.75 v1(50.46,122.75) ; C127.2 42.13,115.61 42.13,115.51 v1(42.52,115.13) ; C159.2 64.06,116.5 63.23,115.66 63.23,115.51 v1(62.84,115.13) ; v1(75.03,121.73) 76.74,121.73 C27.2 ; U10.4 100.38,128.86 C28.2 100.69,129.67 v1(98.4,129.67) ; A9.2 142.08,118.48 140.72,117.13 139.14,117.13 v1(138.72,116.71) ; C97.2 137.71,115.19 v1(135.98,115.19) ; 41.25,124.46 40.49,123.7 v1(40.49,121.92) ; 41.25,124.46 U28.PAD ; 41.25,124.46 v1(38.71,121.92) ; 61.89,124.33 60.68,123.13 v1(60.68,121.92) ; C141.2 C147.2 70.04,122.09 v1(70.84,121.28) ; A8.2 142.08,126.69 v1(142.85,125.92) ; v1(72.05,128.46) 71.34,127.76 70.87,127.76 70.04,126.92 C176.2 ; v1(31.41,120.21) 31.72,120.21 31.79,120.27 C136.2 ; R94.1 v1(100.94,110.05) ; U36.8 93.95,140.84 C200.2 93.32,138.3 C203.2 93.64,137.83 94.06,137.41 v1(94.97,137.41) ; v1(136.82,96.08) 136.82,94.91 C213.2 ; R60.1 v1(128.23,131.95) ; U38.2 v1(124.56,118.62) ; v1(76.49,137.99) C231.2 74.9,138.3 U40.2 ; v1(44.42,115.13) 44.42,115.6 43.52,116.5 C114.2 ; v1(108.88,123.19) C8.2 ; v1(124.12,104.65) U39.6 124.12,101.16 124.65,100.62 C239.2 124.65,98.08 C237.2 v1(126.02,97.98) ; R203.2 v1(137.45,142.75) C188.2 ; v1(139.67,132.59) 141.44,132.59 142.08,133.22 A7.2 ; R96.1 v1(78.71,110.05) ; v1(50.77,128.78) 49.72,128.78 C133.2 ; v1(106.27,138.43) 105.77,138.43 105.32,137.99 C205.2 104.75,138.3 C201.2 105.38,140.84 U35.8 ; v1(123.48,105.92) 123.93,106.36 123.93,107.63 U39.3 ; v1(140.31,107.19) 140.31,106.87 141.05,106.13 R218.1 ; C11.2 v1(86.33,108.14) ; C121.2 45.75,116.5 46.58,115.66 v1(46.58,115.13) ; C224.2 v1(122.85,121.79) ; C13.2 v1(93.95,108.14) ; v1(104.43,121.16) 104.43,121.79 104.11,122.11 103.16,122.11 C32.2 ; v1(138.09,124.43) C198.2 137.55,122.85 R216.2 ; C108.2 50.04,120.84 v1(50.46,120.84) ; v1(123.77,143.35) 121.61,143.35 121.58,143.38 C1.2 ; U40.8 82.52,140.84 C232.2 81.89,138.3 C233.2 82.21,138.11 v1(83.41,139.32) ; R221.2 144.86,97.24 v1(145.71,96.39) ; v1(138.09,131.74) C197.2 137.55,130.15 R213.2 ; v1(68.87,115.13) 68.87,116.18 C171.2 ; R219.2 140.68,93.95 141.51,93.12 v1(141.51,92.97) ; C33.2 v1(84.75,122.75) ; C178.2 v1(71.41,129.1) ; C206.2 v1(146.02,102.74) ; C64.1 88.37,135.64 v1(88.37,136.65) ; C5.2 v1(114.59,144.34) ; v1(127.29,115.13) 125.92,115.13 C225.2 ; v1(48.55,115.13) 48.55,115.86 C126.2 ; C36.2 v1(105.38,110.05) ; v1(144.12,93.85) 142.95,93.85 C199.2 ; v1(59.03,115.13) 59.03,115.86 C167.2 ; C102.2 49.72,124.33 v1(50.57,124.33) ; C129.2 50.77,115.86 v1(50.77,115.13) ; v1(95.86,121.01) 95.86,121.79 C26.2 ; C37.2 v1(107.61,119.25) ; C131.2 49.72,126.56 v1(50.77,126.56) ; C39.2 v1(86.33,118.3) ; C17.2 v1(90.14,108.14) ; v1(80.3,130.94) 80.3,130.37 80.62,130.05 81.25,130.05 C29.2 ; C4.2 v1(125.07,124.33) ; C43.1 v1(88.87,119.57) ; R197.2 v1(31.72,131.32) ; U9.9 v1(28.33,119.57) ; v1(31.72,129.73) 32.36,129.73 32.8,129.29 C135.2 ; C38.2 v1(82.21,108.46) ; R56.1 v1(125.07,131.95) ; C14.2 v1(82.21,107.19) ; C103.2 v1(101.26,107.19)
  BOTTOM w0.152: P1.C28 v1(135.98,115.19) ; P1.C20 v1(135.98,125.35) ; P1.C29 v1(135.98,113.92) ; P1.D19 v1(134.71,126.62) ; P1.D28 v1(134.71,115.19)
  BOTTOM w0.254: P1.D39 v1(134.71,101.22) ; P1.H3 v1(129.63,146.94) ; P1.H36 v1(129.63,105.03) ; U45.10 99.67,102.74 99.35,102.43 v1(99.06,102.43) ; P1.G32 v1(130.78,110) ; P1.G4 v1(130.9,145.67) ; P1.G26 v1(130.9,117.73) ; P1.C12 v1(135.98,135.51) ; 118.4,123.06 118.4,123.05 118.06,122.71 U49.8 ; P1.H30 v1(129.63,112.65) ; A1.2 123.04,152.27 123.29,152.53 v1(123.29,152.65) ; P1.G29 v1(130.9,113.92) ; P1.C21 v1(135.98,124.08) ; U3.11 111.6,130.93 111.99,131.32 ; P1.G5 v1(130.9,144.4) ; P1.C4 v1(135.98,145.67) ; 118.08,123.38 118.08,123.7 117.77,124.01 U49.6 ; 118.08,123.38 118.06,123.36 U49.7 ; 118.08,123.38 118.08,122.43 117.71,122.06 U49.9 ; v1(119.67,113.86) 119.67,112.59 A6.4 ; P1.C24 v1(135.98,120.27) ; P1.H33 v1(129.63,108.84) ; P1.H27 v1(129.63,116.46) ; P1.H9 v1(129.63,139.32) ; P1.C13 v1(135.98,134.24) ; P1.H24 v1(129.63,120.27) ; P1.D10 v1(134.71,138.05) ; P1.C17 v1(135.98,129.16) ; P1.H21 v1(129.63,124.08) ; U48.10 109.19,102.72 v1(109.49,102.43) ; P1.G38 v1(130.9,102.49) ; P1.D22 v1(134.71,122.81) ; P1.C40 v1(135.98,99.95) ; P1.C25 v1(135.98,119) ; P1.G17 v1(130.9,129.16) ; U7.11 110.39,139.96 110.46,139.89 ; P1.C38 v1(135.98,102.49) ; P1.H6 v1(129.63,143.13) ; P1.G23 v1(130.9,121.54) ; U42.11 84.43,104.93 84.07,105.28 v1(83.92,105.28) ; P1.D2 v1(134.71,148.21) ; P1.C9 v1(135.98,139.32) ; P1.H18 v1(129.63,127.89) ; P1.D3 v1(134.71,146.94) ; v1(130.91,100) 130.65,99.74 130.65,99.7 P1.G40 ; U49.11 111.17,121.41 111.42,121.16 111.42,120.84 ; U48.2 104.11,102.68 104.37,102.43 v1(104.72,102.43) ; P1.D7 v1(134.71,141.86) ; P1.C1 v1(135.98,149.48) ; P1.D6 v1(134.71,143.13) ; P1.G1 v1(130.9,149.48) ; U16.4 96.9,126.22 97,126.11 v1(97,125.48) ; v1(79.53,127.19) 79.67,127.19 79.53,127.05 79.53,126.38 79.69,126.22 U17.4 ; P1.C33 v1(135.98,108.84) ; P1.D25 v1(134.71,119) ; P1.H12 v1(129.63,135.51) P1.G11 ; P1.C36 v1(135.98,105.03) ; P1.C5 v1(135.98,144.4) ; P1.D16 v1(134.71,130.43) ; P1.H39 v1(129.63,101.22) ; P1.C8 v1(135.98,140.59) ; P1.C32 v1(135.98,110.11) ; P1.G8 v1(130.9,140.59) ; P1.G35 v1(130.9,106.3) ; P1.D37 v1(134.71,103.76) ; P1.D13 v1(134.71,134.24) ; P1.C16 v1(135.98,130.43) ; P1.G20 v1(130.9,125.35)
  BOTTOM w0.305: U45.2 v1(94.59,102.43) ; U42.19 v1(89.51,102.43) ; 79.98,103.82 v1(79.98,102.43) ; 74.9,103.82 v1(74.9,102.43)
  BOTTOM w0.508: v1(68.87,115.13) 69.72,115.98 C163.2 C168.2 ; C88.2 143.48,102.11 v1(143.48,102.43) ; v1(145.71,96.39) 145.07,96.39 144.25,97.22 C86.2 ; C100.2 C106.2 C112.2 ; C100.2 C132.2 C111.2 C125.2 41.09,120.84 40.49,121.73 v1(40.49,121.92) ; C100.2 42.42,125.29 42.1,125.6 C110.2 ; R130.1 100.52,119.79 v1(99.67,118.94) ; C119.2 50.36,127.51 50.77,127.93 v1(50.77,128.78) ; v1(62.84,115.13) 63.79,116.08 C144.2 C156.2 ; U9.9 v1(28.33,119.57) ; v1(34.01,125.48) 34.14,125.6 C98.2 ; R205.2 122.02,107.25 121.89,107.12 121.89,105.92 v1(123.48,105.92) ; C145.2 C177.2 C150.2 C170.2 61.79,121.26 61.13,121.92 v1(60.68,121.92) ; C145.2 C151.2 C157.2 ; C145.2 C155.2 ; v1(84.3,120.52) 83.72,120.52 83.4,120.21 C59.2 ; C175.2 C173.2 69.82,120.84 v1(71.09,119.57) ; U32.1 144.75,124.65 v1(145.07,124.97) ; C165.2 C158.2 61.79,115.98 v1(60.93,115.13) ; U9.16 31.1,128.46 31.41,128.16 v1(31.41,127.83) ; v1(97.13,136.53) 97.13,137.16 97.76,137.8 C195.2 98.08,138.3 C194.2 U33.2 ; v1(132.05,94.81) 132.69,94.81 133.52,93.98 C89.2 ; v1(141.26,124.97) 141.26,124.33 140.94,124.02 U32.4 ; C14.2 v1(82.21,107.19) ; v1(122.85,121.79) 122.01,121.79 121.69,121.48 R184.1 121.48,121.58 120.62,122.43 120.62,122.75 120.31,123.06 118.4,123.06 118.08,123.38 ; v1(84.75,122.75) 84.11,122.11 C50.2 ; C12.2 v1(118.08,148.15) ; v1(44.42,115.13) 43.57,115.98 C99.2 ; C169.2 69.98,130.31 69.98,130.37 v1(70.46,130.37) ; C91.1 v1(146.66,109.73) ; v1(54.97,142.37) 55.13,142.53 R201.2 ; v1(54.58,130.37) 55.96,130.37 C162.2 ; C101.2 35,115.44 v1(34.26,115.44) ; v1(126.34,116.71) 125.9,116.27 C191.1 ; v1(138.4,92.27) 138.72,92.58 C90.2 ; C124.2 50.47,129.73 50.77,130.04 v1(50.77,130.05) ; C92.2 140.63,92.58 v1(140.31,92.27) ; C246.2 v1(32.04,124.33) ; 111.42,120.84 111.52,120.74 R189.1 111.52,119.21 112.05,118.68 R190.2 v1(112.05,116.71) ; C103.2 v1(101.26,107.19) ; C154.2 v1(75.86,107.19) ; C247.2 v1(32.04,137.35) ; v1(50.46,122.75) 49.72,122.75 C130.2 ; v1(118.08,94.17) 119.8,94.17 C93.2 119.93,95.45 119.99,95.52 C502.2 120.09,97.45 C501.2 ; C16.2 110.11,148.15 109.19,149.06 v1(109.19,152.27) ; C276.2 v1(116.81,129.1) ; U27.3 142.21,110.68 141.9,111 141.26,111 140.94,110.68 U27.4 140.94,108.14 140.31,107.51 v1(140.31,107.19) ; C49.2 95.86,121.48 v1(95.86,121.01) ; C140.2 37.91,142.53 38.58,141.86 v1(39.85,141.86) ; v1(111.1,106.55) 111.73,106.55 C82.2 ; C9.2 v1(97.76,108.14) ; C13.2 v1(93.95,108.14) ; C164.2 71.09,127.51 v1(72.05,128.46) ; C120.2 41.15,118.25 41.41,117.98 41.57,117.98 v1(42.2,117.35) 42.52,117.35 43.47,118.3 C105.2 ; C20.2 v1(117.77,152.91) ; U50.2 U50.1 122.21,103.69 v1(123.16,104.65) ; U33.8 90.46,141.16 91.1,140.53 C196.2 91.1,138.3 C263.2 90.78,137.67 91.41,137.03 v1(91.41,136.53) ; C36.2 v1(105.38,110.05) ; v1(142.53,124.97) 142.21,124.65 U32.3 ; U8.16 v1(31.72,141.8) ; R200.2 52.46,126.66 v1(52.36,126.56) ; v1(34.26,143) 34.9,143 35.37,142.53 R199.2 ; v1(53.95,125.29) 55.96,125.29 C143.2 C149.2 ; v1(111.1,108.14) C83.2 C84.2 ; C54.2 72.11,123.83 72.11,124.4 v1(72.68,124.97) ; C3.2 v1(117.45,138.62) ; v1(41,142.24) 41.19,142.43 C139.2 ; C95.2 v1(126.4,92.27) ; C277.2 110.25,129.1 109.93,128.78 109.83,128.78 v1(108.88,127.83) ; C11.2 v1(86.33,108.14) ; v1(143.8,124.97) 143.48,124.65 143.48,122.75 ; C118.2 49.4,116.03 50.3,115.13 v1(50.77,115.13) ; v1(79.1,120.21) R132.1 ; C185.2 59.88,142.53 v1(60.05,142.37) ; C87.2 v1(140.94,103.03) ; v1(111.99,132.08) 111.99,131.32 ; C109.2 v1(107.29,108.14) ; C17.2 v1(90.14,108.14) ; C152.2 56.17,118.3 55.54,117.67 v1(53.95,117.67) ; v1(110.46,137.54) 110.15,137.86 C7.2 110.15,139.57 110.46,139.89 ; v1(33.31,118.94) 33.95,118.3 C107.2 ; v1(86.33,136.72) C256.2 86.65,138.3 C255.2 U47.2 ; v1(54.27,115.76) 54.58,116.08 C146.2 ; C117.2 C104.2 v1(35.64,126.75) ; C94.2 v1(124.82,92.27) ; C128.2 v1(50.46,120.84) ; v1(76.49,137.99) C258.2 79.67,138.3 C257.2 79.67,140.53 79.03,141.16 U47.8 ; C47.2 v1(94.59,131) ; U8.9 v1(28.23,132.91) ; v1(47.6,142.11) 46.96,142.11 46.43,142.65 C137.2 C138.2 ; v1(112.69,113.22) 112.69,112.9 112.05,112.27 C85.2 ; C193.1 v1(146.66,123.7) ; v1(128.23,131.95) 128.23,131.77 P1.H15 P1.G14 ; C53.2 v1(86.65,123.7) ; C48.2 v1(80.3,130.94) ; v1(67.92,142.62) 67.89,142.65 C182.2 C183.2 ; C123.2 49.4,118.35 50.24,119.18 v1(50.39,119.18) ; C113.2 41.57,116.08 v1(42.52,115.13) ; v1(61.57,142.43) C184.2 ; C38.2 v1(82.21,108.46) ; C57.2 v1(104.43,121.16)
  vias: v1(55.22,119.25) v1(55.54,124.02)
